# Altium PCB MC21R01.PcbDoc (part 5 of 5) (continued)
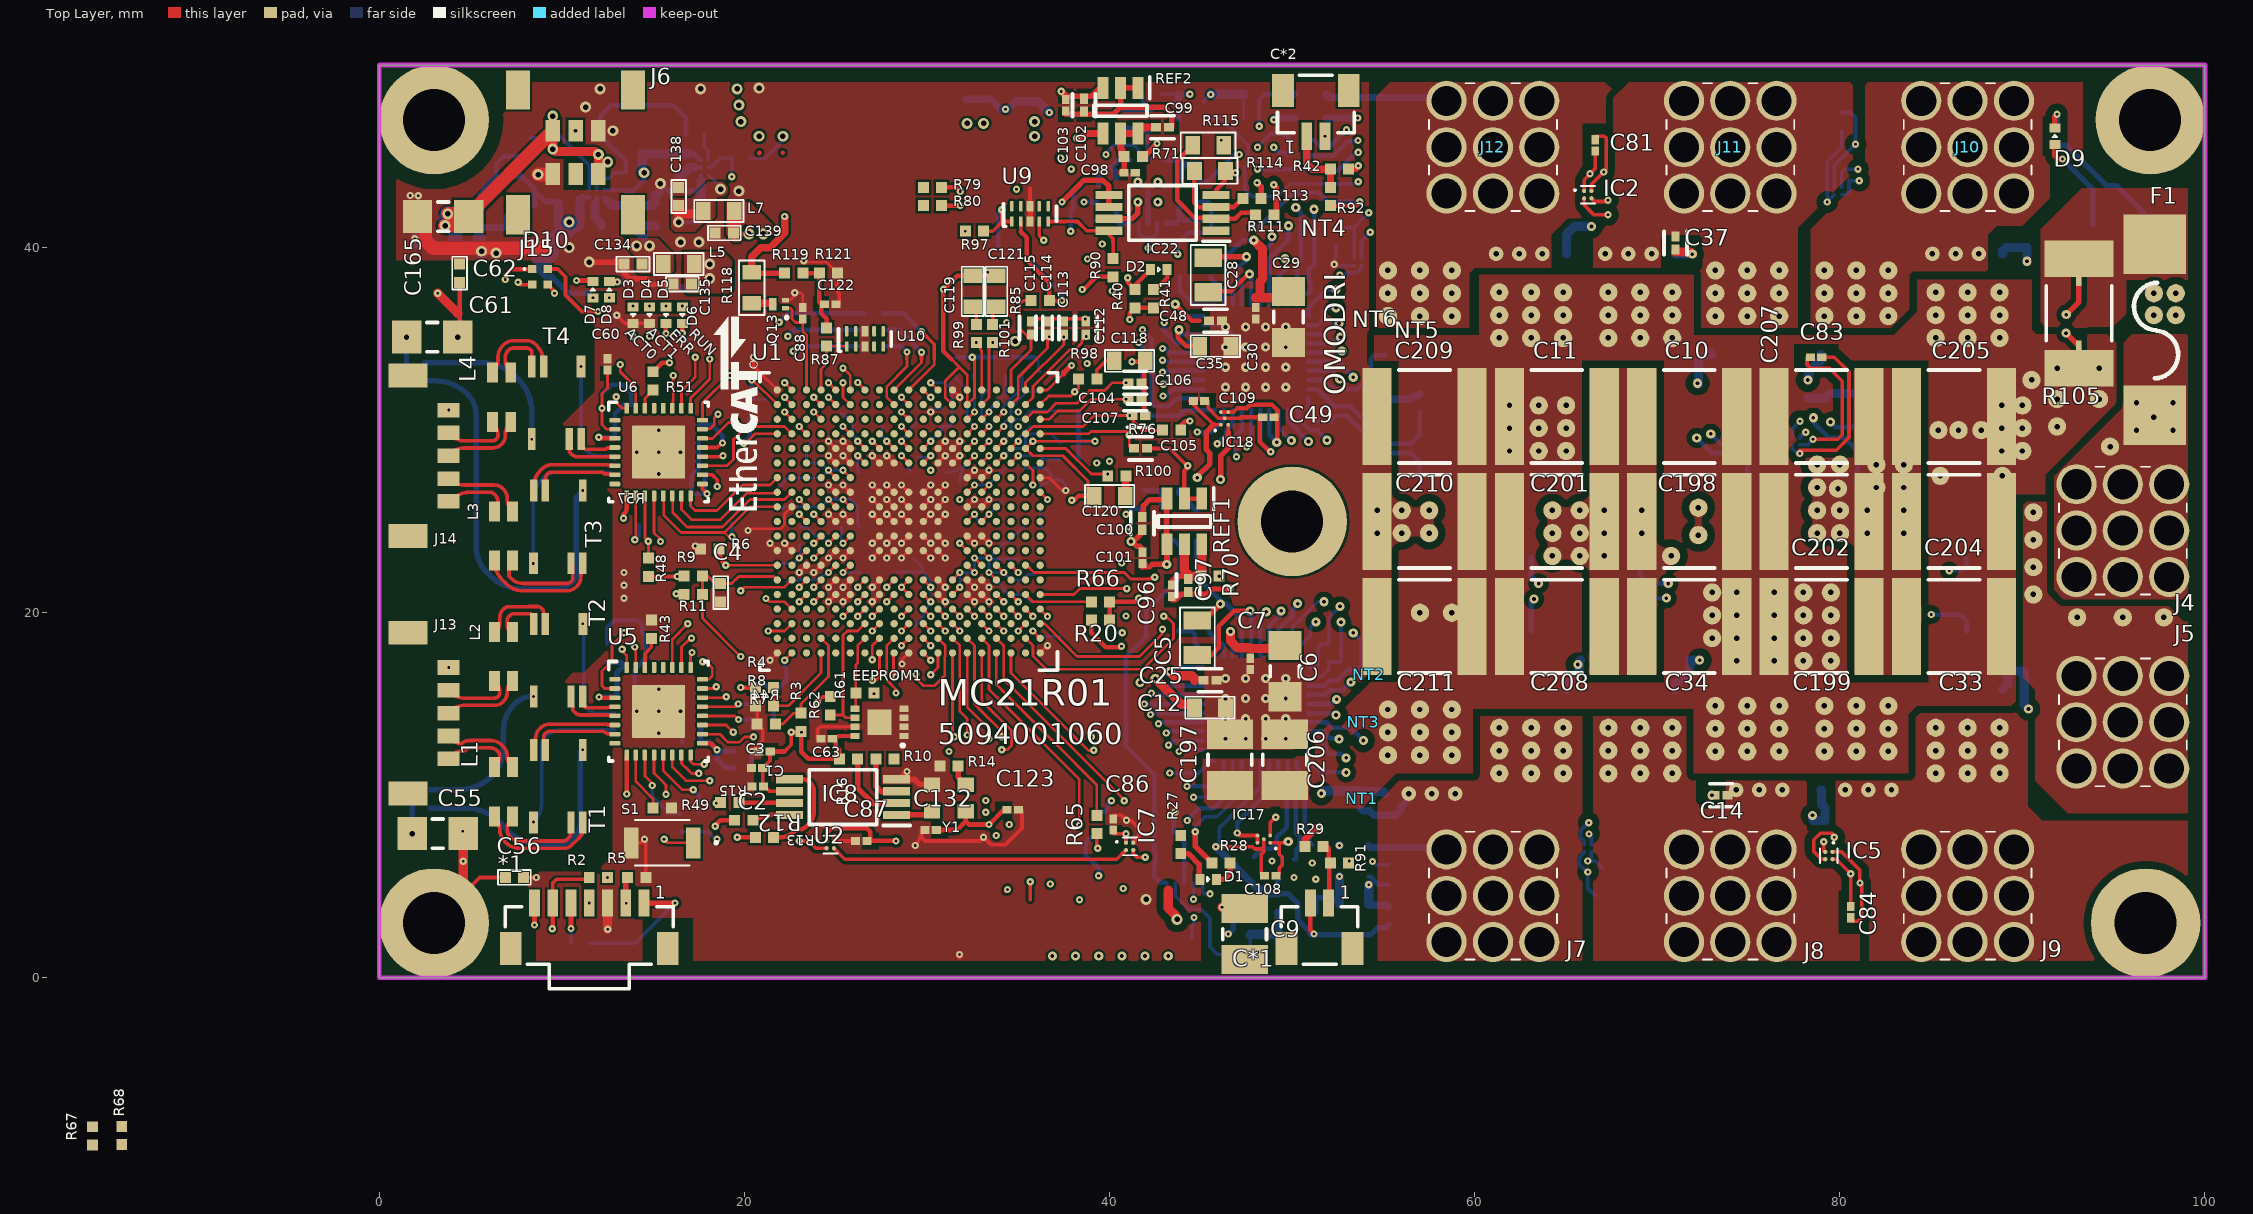
[diagram p0: Top Layer view]
## Nets (pads, with @x,y where several pads share a name; then routed paths per layer and width w, separated by ;. In a path a pad name is that pad's centre, name@x,y a point inside that pad or via, vN(x,y) a via of type N, cw(c..) or ccw(c..) an arc to the next point about the centre after c; other vN are vias at no path point) (continued)
  Top Layer w0.15: U1.P6@32.2,28.2 v1(32.6,28.6) ; U1.R6@32.2,29 v1(32.6,29.4)
  Top Layer w0.3: v1(37.4,42.5) 38.6,43.7 39.624,43.7 39.962,43.362 IC22.5@39.962,42.875 IC22.6@39.962,42.225 ; C103.1@37.6,48.3 38.6,48.3 39,48.3 39.45,48.75 REF2.3@39.65,48.75 ; R42.2@53.1,44.3 53.512,44.3 53.689,44.477 v1(53.625,44.477)
  Top Layer w0.4: v1(37.355,48.557) 37.355,48.545 37.434,48.466 C103.1@37.6,48.3 ; v1(38.186,45.994) 38.459,45.994 38.716,46.25 REF2.4@39.65,46.25 ; R29.2@50.7,7.2 50.7,7.6 51.325,8.225 v1(51.443,8.225)
  Layer 3 w0.125: 31.8,33.9 31.8,33 33,31.8 33,29.8 v1(32.6,29.4) v1(32.6,28.6)
  Layer 3 w0.4: 31.8,33.9 31.8,36.4 33.4,38 34.974,38 37.1,40.126 37.1,42.2 v1(37.4,42.5) ; v1(38.787,39.375) v1@39.612,40.2 ; v1(39.6,40.2) v1@39.612,40.2 ; v1@39.641,40.229 v1@39.612,40.2
  Layer 4 w0.4: v3(35.9,46.1) v3(35.9,46.9) ; v1@39.562,40.171 v1@39.6,40.209 ; v1(39.6,40.2) v1@39.6,40.209 ; v1@39.641,40.25 v1@39.6,40.209
  Layer 4 w0.5: v1(37.4,42.5) 35.9,44 v3(35.9,46.1) 36.042,46.242 37.938,46.242 v1(38.186,45.994) 39.692,47.5 47.1,47.5 47.5,47.9 49.6,47.9 50.5,47 50.5,45.6 51.623,44.477 v1(53.625,44.477)
  Bottom Layer w0.15: C147.1@31.8,27.2 cw(c33.249,27.2) 32.224,28.224 ; v1(32.6,28.6) 32.224,28.224 ; 32.16,28.16 cw(c31.05,29.269) 31.05,27.7 ccw(c31.05,29.269) 32.16,28.16 ; 32.16,28.16 32.224,28.224
  Bottom Layer w0.2: IC19.4@42.098,44.775 42.098,45.424 42.05,45.472 42.05,46.25 C196.1@42.3,46.5
  Bottom Layer w0.4: C116.1@40.7,46.5 41.5,46.5 C196.1@42.3,46.5
  other v1: 35,30.2
VDRAIN: C5.1 C9.1 C10.1 C11.1 C28.1 C32.1 C33.1 C34.1 C197.1 C198.1 C199.1 C200.1 C201.1 C202.1 C203.1 C204.1 C205.1 C206.1 C207.1 C208.1 C209.1 C210.1 C211.1 D9.A pad.17@55.25,12.2 pad.17@55.25,13.45 pad.17@55.25,14.7 pad.17@57,12.2 pad.17@57,13.45 pad.17@57,14.7 pad.17@57,20 pad.17@58.75,12.2 pad.17@58.75,13.45 pad.17@58.75,14.7 pad.17@58.75,20 pad.17@61.344,35.05 pad.17@61.344,36.3 pad.17@61.344,37.55 pad.17@61.907,28.86 pad.17@61.907,30.11 pad.17@61.907,31.36 pad.17@63.094,35.05 pad.17@63.094,36.3 pad.17@63.094,37.55 pad.17@63.507,28.86 pad.17@63.507,30.11 pad.17@63.507,31.36 pad.17@64.844,35.05 pad.17@64.844,36.3 pad.17@64.844,37.55 pad.17@65.007,28.86 pad.17@65.007,30.11 pad.17@65.007,31.36 pad.17@67.321,35.05 pad.17@67.321,36.3 pad.17@67.321,37.55 pad.17@69.071,35.05 pad.17@69.071,36.3 pad.17@69.071,37.55 pad.17@70.821,35.05 pad.17@70.821,36.3 pad.17@70.821,37.55 pad.17@73.007,18.61 pad.17@73.007,19.86 pad.17@73.007,21.11 pad.17@73.179,12.4 pad.17@73.179,13.65 pad.17@73.179,14.9 pad.17@74.357,17.36 pad.17@74.357,18.61 pad.17@74.357,19.86 pad.17@74.357,21.11 pad.17@74.929,12.4 pad.17@74.929,13.65 pad.17@74.929,14.9 pad.17@76.407,17.36 pad.17@76.407,18.61 pad.17@76.407,19.86 pad.17@76.407,21.11 pad.17@76.679,12.4 pad.17@76.679,13.65 pad.17@76.679,14.9 pad.17@78.007,17.36 pad.17@78.007,18.61 pad.17@78.007,19.86 pad.17@78.007,21.11 pad.17@79.156,12.4 pad.17@79.156,13.65 pad.17@79.156,14.9 pad.17@79.507,17.36 pad.17@79.507,18.61 pad.17@79.507,19.86 pad.17@79.507,21.11 pad.17@80.906,12.4 pad.17@80.906,13.65 pad.17@80.906,14.9 pad.17@82.656,12.4 pad.17@82.656,13.65 pad.17@82.656,14.9 pad.17@85.4,30 pad.17@85.5,27.5 pad.17@85.25,35.05 pad.17@85.25,36.3 pad.17@85.25,37.55 pad.17@86.5,30 pad.17@87,35.05 pad.17@87,36.3 pad.17@87,37.55 pad.17@87.75,30 pad.17@88.9,27.5 pad.17@88.75,35.05 pad.17@88.75,36.3 pad.17@88.75,37.55 pad.17@88.857,28.86 pad.17@88.857,30.11 pad.17@88.857,31.36 pad.17@90,28.86 pad.17@90,30.11 pad.17@90,31.36 pad.17@90.5,32.75 pad.17@91.9,30.2 pad.17@91.9,31.7 pad.17@91.9,33.4 pad.17@94.2,31.7 pad.17@94.2,33.4 Q1.5 Q1.6 Q1.7 Q1.8 Q2.5 Q2.6 Q2.7 Q2.8 Q3.5 Q3.6 Q3.7 Q3.8 Q7.5 Q7.6 Q7.7 Q7.8 Q8.5 Q8.6 Q8.7 Q8.8 Q9.5 Q9.6 Q9.7 Q9.8 R105.1 R106.2 R123.1 R123.2 R124.1 R124.2 R125.1 R125.2 R126.1 R126.2 R127.1 R127.2 R128.1 R128.2 U3.4 U4.4 | length 72.4
  Top Layer w0.3: C5.1@44.812,19.58 45.17,19.58 v2(46.069,20.48) ; C28.1@45.45,39.5 v2(47.5,39.5) ; D9.A@91.781,45.656 91.781,45.019 91.95,44.85 v1(92.2,44.85)
  Top Layer w0.5: 43.215,4.8 43.215,3.822 43.61,3.427 43.61,3.29 v3(43.7,3.2) ; C9.1@46.155,3.848 v1(46.155,3.875) ; C9.1@47.016,3.412 47.016,3.416 C9.1@47.4,3.8
  Layer 4 w0.5: v2(47.5,39.5) 48.3,39.5 51.4,36.4 51.4,34.3 52.1,33.6 52.391,33.6 52.411,33.58 52.969,33.58 53.039,33.65 53.661,33.65 53.711,33.6 59.894,33.6 pad.17@61.344,35.05
  Layer 6 w0.4: v2(46.069,20.48) 46.871,20.48 47.69,21.299 51.384,21.299 51.434,21.35 52.056,21.35 52.106,21.299 54.101,21.299 55.4,20 pad.17@57,20
  Layer 7 w0.5: v3(43.7,3.2) 44.35,2.55 45.05,2.55 46.049,3.549 54.049,3.549 55.5,5 55.5,7 55.25,7.25 pad.17@55.25,12.2
  Bottom Layer w0.25: R106.2@44.75,24 44.75,21.998 v2@46.169,20.58 ; 47.175,19.7 47.25,19.625 U3.4@47.25,17.625 ; U4.4@47.25,36.875 47.25,38.079 47,38.329 47,38.847 47.366,39.213 47.392,39.213 47.5,39.32 v2(47.5,39.5)
  Bottom Layer w0.3: v2(46.069,20.48) 46.395,20.48 47.175,19.7 ; v1(92.2,44.85) 93.85,43.2 C203.1@93.85,41.25
VREFHIA_REF: IC19.1 IC19.2 R72.2 | length 3.5
  Bottom Layer w0.3: R72.2@39.4,43.4 39.4,44.2 39.6,44.4 40.1,44.4 ; IC19.1@40.373,43.8 40.3,43.8 40.3,44.2 40.1,44.4 ; IC19.2@41.098,44.775 40.475,44.775 40.1,44.4
VREFHIB_REF: IC19.6 IC19.7 R81.2 | length 2.8
  Bottom Layer w0.3: IC19.6@43.098,44.775 43.725,44.775 44.05,44.45 ; IC19.7@43.823,43.8 43.9,43.8 43.9,44.3 44.05,44.45 ; R81.2@44.9,44.6 44.2,44.6 44.05,44.45
VREFHIC_REF: IC19.8 IC19.9 R88.2 | length 2.7
  Bottom Layer w0.3: IC19.9@43.098,41.325 43.648,41.325 43.962,41.638 ; IC19.8@43.823,42.3 43.823,41.777 43.962,41.638 ; R88.2@44.9,41.5 44.1,41.5 43.962,41.638
VREFHID_REF: IC19.13 IC19.14 R93.2 | length 2.7
  Bottom Layer w0.3: R93.2@39.3,41.5 40.1,41.5 40.237,41.637 ; IC19.14@40.373,42.3 40.373,41.773 40.237,41.637 ; IC19.13@41.098,41.325 40.548,41.325 40.237,41.637
pads on no net: C*1.M1 C*1.M2 C*2.M1 C*2.M2 IC20.8 IC20.9 IC20.10 IC22.1 J6.M J13.M J14.M J15.M U1.A2 U1.A13 U1.A14 U1.A15 U1.B3 U1.B14 U1.B15 U1.B18 U1.B19 U1.C3 U1.C6 U1.C11 U1.C14 U1.C15 U1.C16 U1.C17 U1.D11 U1.D15 U1.D16 U1.D17 U1.E18 U1.E19 U1.F1 U1.G1 U1.G18 U1.H1 U1.H2 U1.H3 U1.H4 U1.J4 U1.J17 U1.J18 U1.J19 U1.K18 U1.K19 U1.L1 U1.L2 U1.L3 U1.L4 U1.M2 U1.M3 U1.M4 U1.N2 U1.N3 U1.N4 U1.P17 U1.R16 U1.R17 U1.T8 U1.T9 U1.T11 U1.T12 U1.T13 U1.T15 U1.T16 U1.U8 U1.U9 U1.U12 U1.U14 U1.U15 U1.V8 U1.V9 U1.V12 U1.V13 U1.W12 U5.1 U5.8 U5.28 U5.29 U5.33@14.565,13.865 U5.33@14.565,15.335 U5.33@16.035,13.865 U5.33@16.035,15.335 U6.1 U6.8 U6.28 U6.29 U6.33@14.565,28.065 U6.33@14.565,29.535 U6.33@16.035,28.065 U6.33@16.035,29.535 U8.3@44.1,5.183 U8.6 U8.7 U8.8@44.1,6.018 U8.9 U8.10 U9.3@35.644,41.432 U9.6 U9.7 U9.8@35.644,42.267 U9.9 U9.10 U10.2 U10.3@26.6,34.582 U10.4 U10.5 U10.6 U10.7 U10.8@26.6,35.417 U10.9 U10.10

## Polygon pours and split planes (outlines as drawn)
GND on Top Layer "GND_L01_P192" (solid, pour order 192): 32 vertices, not listed, extent 0,0 54.2,50
MOTB1 on Top Layer "MOTB1_L01_P136" (solid, remove dead copper, pour order 136): 19 vertices, not listed, extent 66.5,0 81.1,14.4
MOTC2 on Top Layer "MOTC2_L01_P110" (solid, remove dead copper, pour order 110): 67.5,48.7 66.8,49.4 55.7,49.4 54.6,48.3 54.6,35.5 59.7,35.5 59.7,38.6 60,38.9 64.2,38.9 64.2,40.7 65.1,41.6 67.4,41.6 67.5,41.7
VDRAIN on Top Layer "VDRAIN_L01_P033" (solid, remove dead copper, pour order 33): 34 vertices, not listed, extent 52.7,9.7 95.135,38.5
GND on Top Layer "GND_L01_P164" (solid, pour order 164): 0,50 0,39.3 20.1,39.3 20.1,50
NetF1_2 on Top Layer "NETF1_2_L01_P155" (solid, remove dead copper, pour order 155): 91,35.9 91.3,35.6 94.9,35.6 95.687,36.387 95.687,38.25 100,38.25 100,42.5 99.25,43.25 93.25,43.25 91,41
MOTB2 on Top Layer "MOTB2_L01_P051" (solid, remove dead copper, pour order 51): 23 vertices, not listed, extent 66.5,35.5 80.7,49.4
GND on Top Layer "GND_L01_P095" (solid, remove dead copper, pour order 95): 25 vertices, not listed, extent 53.9,16.5 84.5,33.5
MOTA1 on Top Layer "MOTA1_L01_P117" (solid, remove dead copper, pour order 117): 54.7,10.9 54.7,0 64.9,0 65.9,1 65.9,14.4 59.9,14.5 59.9,11.3 59.5,10.9
VDD_3V3 on Top Layer "VDD_3V3_L01_P000" (solid, pour order 0): 16.69,39.76 16.69,37.71 16.9,37.5 19.1,37.5 19.3,37.7 19.3,39.3 18.84,39.76
3V3 on Top Layer "3V3_L01_P002" (solid, pour order 2): 13.5,40.5 13.5,40.058 14.1,39.458 14.1,38.7 14.2,38.6 16,38.6 16.127,38.727 16.127,39.632 15.259,40.5
VDD_1V2 on Top Layer "VDD_1V2_L01_P003" (solid, pour order 3): 19,42.5 19,40.7 19.4,40.3 21.3,40.3 21.6,40.6 21.6,41.2 20.3,42.5
1V2 on Top Layer "1V2_L01_P004" (solid, pour order 4): 17 vertices, not listed, extent 16,40.882 19.098,43.597
VDRAIN on Top Layer "VDRAIN_L01_P043" (solid, pour order 43): 45.1,9.7 45.5,9.3 53.8,9.3 54.5,10 54.5,16.35 54.45,16.35 50.1,12 45.1,12
MOTC1 on Top Layer "MOTC1_L01_P137" (solid, remove dead copper, pour order 137): 20 vertices, not listed, extent 79.771,0 100,14.6
GND on Top Layer "GND_L01_P145" (solid, remove dead copper, pour order 145): 90.708,10.792 90.708,15.792 90,16.5 90,25.85 91.25,27.1 98.85,19.5 100,19.5 100,10 99,9 92.5,9
NetF1_1 on Top Layer "NETF1_1_L01_P059" (solid, remove dead copper, pour order 59): 95.6,31.6 95.5,31.8 95.5,34.75 96,35.25 99,35.25 99.25,35 99.25,21.25 98.75,20.75 92.25,20.75 91.75,21.25 91.75,27.75
MOTA2 on Top Layer "MOTA2_L01_P096" (solid, remove dead copper, pour order 96): 21 vertices, not listed, extent 78.4,35.5 93.3,49.4
no net on Top Layer "NONET_L01_P091" (solid, remove dead copper, pour order 91): 96,6
no net on Top Layer "NONET_L01_P076" (solid, remove dead copper, pour order 76): 97,9
no net on Top Layer "NONET_L01_P069" (solid, remove dead copper, pour order 69): 97,11
no net on Top Layer "NONET_L01_P067" (solid, remove dead copper, pour order 67): 99,20
GND on Layer 2 "GND_L02_P154" (solid, pour order 154): 31 vertices, not listed, extent 10,7.6 37.1,36.5
GND on Layer 2 "GND_L02_P150" (solid, pour order 150): 0,50 0,39.3 20.1,39.3 20.1,50
24V on Layer 2 "24V_L02_P031" (solid, remove dead copper, pour order 31): 18 vertices, not listed, extent 3.011,40.563 20.4,49.1
GNDA on Layer 2 "GNDA_L02_P144" (solid, remove dead copper, pour order 144): 39 vertices, not listed, extent 31.2,0 54,50
SHIELD on Layer 2 "SHIELD_L02_P153" (solid, pour order 153): 19 vertices, not listed, extent 0,6.8 9.5,36.5
MOTB2 on Layer 2 "MOTB2_L02_P058" (solid, remove dead copper, pour order 58): 24 vertices, not listed, extent 66.5,35.5 80.7,49.4
VDRAIN on Layer 2 "VDRAIN_L02_P042" (solid, remove dead copper, pour order 42): 23 vertices, not listed, extent 54.5,11.2 100,38.5
GNDA on Layer 2 "GNDA_L02_P179" (solid, pour order 179): 52.8,30.6 52.8,31.7 51.9,32.6 51.9,39.5 53.333,40.933 53.333,44.109 52.942,44.5 52.4,44.5 51.8,43.9 51.8,42 50.2,40.4 50.2,30.8 50.4,30.6
no net on Layer 2 "NONET_L02_P178" (solid, pour order 178): 52.8,30.6
MOTC2 on Layer 2 "MOTC2_L02_P066" (solid, remove dead copper, pour order 66): 67.5,48.7 66.8,49.4 55.7,49.4 54.6,48.3 54.6,35.5 59.7,35.5 59.7,38.6 60,38.9 64.2,38.9 64.2,40.7 65.1,41.6 67.4,41.6 67.5,41.7
no net on Layer 2 "NONET_L02_P112" (solid, pour order 112): 54,49
MOTC1 on Layer 2 "MOTC1_L02_P098" (solid, remove dead copper, pour order 98): 20 vertices, not listed, extent 79.771,0 100,14.6
GND on Layer 2 "GND_L02_P079" (solid, remove dead copper, pour order 79): 90,19.4 91.9,17.5 91.9,9.2 92.032,9.2 92.232,9 99,9 100,10 100,19 98.75,20.25 92.25,20.25 91.25,21.25 91.25,26.5 91,26.75 90.25,26.75 90,26.5
NetF1_1 on Layer 2 "NETF1_1_L02_P111" (solid, remove dead copper, pour order 111): 95.543,32.5 95.543,34.793 96,35.25 99,35.25 99.25,35 99.25,21.25 98.75,20.75 92.25,20.75 91.75,21.25 91.75,27.75 93,29 95.25,29 95.5,29.25 95.5,32.5
MOTB1 on Layer 2 "MOTB1_L02_P074" (solid, remove dead copper, pour order 74): 73.825,10.925 72.575,10.925 72.1,11.4 72.1,14.2 71.9,14.4 66.5,14.4 66.5,0.9 67.4,0 80.2,0 81.1,0.9 81.1,5.2 78.2,8.1 78.2,10.7 77.9,11 73.9,11
MOTA1 on Layer 2 "MOTA1_L02_P068" (solid, remove dead copper, pour order 68): 65.9,14.4 65.9,1 64.9,0 56.8,0 55.9,0.9 55.9,10.9 59.5,10.9 59.9,11.3 59.9,14.5
MOTA2 on Layer 2 "MOTA2_L02_P050" (solid, remove dead copper, pour order 50): 19 vertices, not listed, extent 78.4,35.5 95.1,49.4
GND on Layer 3 "GND_L03_P191" (solid, pour order 191): 29 vertices, not listed, extent 10,7.6 37.1,36.5
GNDA on Layer 3 "GNDA_L03_P183" (solid, remove dead copper, pour order 183): 39 vertices, not listed, extent 31.2,0 54,50
VDDA_3V3 on Layer 3 "VDDA_3V3_L03_P170" (solid, pour order 170): 32.341,37.8 34.404,39.864 36.436,39.864 36.8,39.5 34.22,36.92 34.22,31.18 35.3,30.1 35.3,28.2 34.9,27.8 32.6,27.8 31.3,29.1 31.3,37.3 31.8,37.8
GND on Layer 3 "GND_L03_P149" (solid, pour order 149): 0,50 0,39.3 20.1,39.3 20.1,50
24V on Layer 3 "24V_L03_P041" (solid, remove dead copper, pour order 41): 18 vertices, not listed, extent 3.011,40.563 20.4,49.1
MOTB2 on Layer 3 "MOTB2_L03_P057" (solid, remove dead copper, pour order 57): 24 vertices, not listed, extent 66.5,35.5 80.7,49.4
VDRAIN on Layer 3 "VDRAIN_L03_P143" (solid, remove dead copper, pour order 143): 23 vertices, not listed, extent 54.5,11.2 100,38.5
MOTC1 on Layer 3 "MOTC1_L03_P080" (solid, remove dead copper, pour order 80): 20 vertices, not listed, extent 79.771,0 100,14.6
MOTB1 on Layer 3 "MOTB1_L03_P097" (solid, remove dead copper, pour order 97): 73.825,10.925 72.575,10.925 72.1,11.4 72.1,14.2 71.9,14.4 66.5,14.4 66.5,0.9 67.4,0 80.2,0 81.1,0.9 81.1,5.2 78.2,8.1 78.2,10.7 77.9,11 73.9,11
MOTC2 on Layer 3 "MOTC2_L03_P065" (solid, remove dead copper, pour order 65): 67.5,48.7 66.8,49.4 55.7,49.4 54.6,48.3 54.6,35.5 59.7,35.5 59.7,38.6 60,38.9 64.2,38.9 64.2,40.7 65.1,41.6 67.4,41.6 67.5,41.7
GND on Layer 3 "GND_L03_P106" (solid, remove dead copper, pour order 106): 90,11.4 92.4,9 99,9 100,10 100,19 98.75,20.25 92.25,20.25 91.25,21.25 91.25,26.5 91,26.75 90.25,26.75 90,26.5
NetF1_1 on Layer 3 "NETF1_1_L03_P104" (solid, remove dead copper, pour order 104): 95.543,32.5 95.543,34.793 96,35.25 99,35.25 99.25,35 99.25,21.25 98.75,20.75 92.25,20.75 91.75,21.25 91.75,27.75 93,29 95.25,29 95.5,29.25 95.5,32.5
MOTA1 on Layer 3 "MOTA1_L03_P077" (solid, remove dead copper, pour order 77): 65.9,14.4 65.9,1 64.9,0 56.8,0 55.9,0.9 55.9,10.9 59.5,10.9 59.9,11.3 59.9,14.5
MOTA2 on Layer 3 "MOTA2_L03_P049" (solid, remove dead copper, pour order 49): 19 vertices, not listed, extent 78.4,35.5 95.1,49.4
GND on Layer 4 "GND_L04_P190" (solid, pour order 190): 29 vertices, not listed, extent 10,7.6 37.1,36.5
VDDA_3V3 on Layer 4 "VDDA_3V3_L04_P182" (solid, remove dead copper, pour order 182): 39 vertices, not listed, extent 31.454,0.251 54.254,50.251
GND on Layer 4 "GND_L04_P142" (solid, pour order 142): 0,50 0,39.3 20.1,39.3 20.1,50
VDRAIN on Layer 4 "VDRAIN_L04_P105" (solid, remove dead copper, pour order 105): 28 vertices, not listed, extent 54.5,11.2 100,38.5
MOTC1 on Layer 4 "MOTC1_L04_P081" (solid, remove dead copper, pour order 81): 20 vertices, not listed, extent 79.771,0 100,14.6
MOTB2 on Layer 4 "MOTB2_L04_P048" (solid, remove dead copper, pour order 48): 24 vertices, not listed, extent 66.5,35.5 80.7,49.4
MOTA2 on Layer 4 "MOTA2_L04_P040" (solid, remove dead copper, pour order 40): 19 vertices, not listed, extent 78.4,35.5 95.1,49.4
NetF1_1 on Layer 4 "NETF1_1_L04_P100" (solid, remove dead copper, pour order 100): 95.5,31.5 95.5,32.5 95.543,32.5 95.543,34.793 96,35.25 99,35.25 99.25,35 99.25,21.25 98.75,20.75 92.25,20.75 91.75,21.25 91.75,27.75
GND on Layer 4 "GND_L04_P101" (solid, remove dead copper, pour order 101): 20 vertices, not listed, extent 78.2,9 100,28.9
MOTB1 on Layer 4 "MOTB1_L04_P083" (solid, remove dead copper, pour order 83): 73.825,10.925 72.575,10.925 72.1,11.4 72.1,14.2 71.9,14.4 66.5,14.4 66.5,0.9 67.4,0 80.2,0 81.1,0.9 81.1,5.2 78.2,8.1 78.2,10.7 77.9,11 73.9,11
MOTA1 on Layer 4 "MOTA1_L04_P064" (solid, remove dead copper, pour order 64): 65.9,14.4 65.9,1 64.9,0 56.8,0 55.9,0.9 55.9,10.9 59.5,10.9 59.9,11.3 59.9,14.5
MOTC2 on Layer 4 "MOTC2_L04_P056" (solid, remove dead copper, pour order 56): 67.5,48.7 66.8,49.4 55.7,49.4 54.6,48.3 54.6,35.5 59.7,35.5 59.7,38.6 60,38.9 64.2,38.9 64.2,40.7 65.1,41.6 67.4,41.6 67.5,41.7
GND on Bottom Layer "GND_L08_P188" (solid, remove dead copper, pour order 188): 6.5,3.7 8.5,5.7 12.2,5.7 13.6,7.1 13.6,8 12.2,9.4 12.2,27 11.8,27.4 11.8,37.3 9.8,39.3 0,39.3 0,50 55,50 55,0 6.5,0
GND on Bottom Layer "GND_L08_P161" (solid, pour order 161): 0,50 0,39.3 20.1,39.3 20.1,50
VDD_1V2 on Bottom Layer "VDD_1V2_L08_P138" (solid, pour order 138): 28.9,23.5 29.9,23.5 29.9,22.6 30.6,22.6 30.6,18.5 28.7,18.5 28.7,21.8 27.9,21.8 27.9,22.7 28.9,22.7
NetC18_2 on Bottom Layer "NETC18_2_L08_P116" (solid, remove dead copper, pour order 116): 88.144,14.985 84.515,14.985 83.881,15.619 83.881,19.131 84,19.25 88.75,19.25 90,18 90.25,18 90.25,17.5 90,17.5 89.5,17 89.5,15
GND on Bottom Layer "GND_L08_P109" (solid, remove dead copper, pour order 109): 40 vertices, not listed, extent 54.2,9 99.9,43.5
MOTC2 on Bottom Layer "MOTC2_L08_P108" (solid, remove dead copper, pour order 108): 67.5,48.7 66.8,49.4 55.7,49.4 54.6,48.3 54.6,35.5 59.7,35.5 59.7,38.6 60,38.9 64.2,38.9 64.2,40.7 65.1,41.6 67.4,41.6 67.5,41.7
MOTB2 on Bottom Layer "MOTB2_L08_P092" (solid, remove dead copper, pour order 92): 24 vertices, not listed, extent 66.5,35.5 80.7,49.4
VDRAIN on Bottom Layer "VDRAIN_L08_P025" (solid, remove dead copper, pour order 25): 95.45,33.75 90.8,29.1 90.8,27.5 90.3,27 85.2,27 84.6,27.6 84.6,34.6 86.8,38.1 90.2,38.1 90.9,38.8 90.9,41.1 92.9,43.1 95.45,43.1
NetC16_2 on Bottom Layer "NETC16_2_L08_P023" (solid, remove dead copper, pour order 23): 64.2,16.7 64.4,16.9 65,16.9 65.2,17.1 65.2,17.9 65.3,18 66.1,18 66.2,18.1 66.2,21.4 65.8,21.8 60.8,21.8 60.3,21.3 60.3,15 64.2,15
NetC17_2 on Bottom Layer "NETC17_2_L08_P022" (solid, remove dead copper, pour order 22): 70.2,16.7 70.4,16.9 71,16.9 71.2,17.1 71.2,17.8 71.4,18 72.1,18 72.2,18.1 72.2,21.3 71.7,21.8 66.9,21.8 66.5,21.4 66.5,15 70.2,15
MOTB1 on Bottom Layer "MOTB1_L08_P016" (solid, remove dead copper, pour order 16): 17 vertices, not listed, extent 66.5,0 81.1,14.4
NetC41_2 on Bottom Layer "NETC41_2_L08_P131" (solid, pour order 131): 59,29.2 59.7,29.9 59.7,35 55.9,35 55.9,34 55,33.1 55,29.2
NetC39_2 on Bottom Layer "NETC39_2_L08_P118" (solid, pour order 118): 79.8,33.3 79.1,32.6 79,32.6 79,30.6 79.8,29.8 80.5,29.2 83.9,29.2 84.1,29.4 84.1,34.7 83.9,34.9 79.8,34.9
NetC40_2 on Bottom Layer "NETC40_2_L08_P119" (solid, pour order 119): 77.3,29.3 77.7,29.7 77.7,34.9 73.8,34.9 73.6,34.7 73.6,33.5 73,32.9 73,29.3
3V3 on Bottom Layer "3V3_L08_P169" (solid, pour order 169): 33.4,47.2 33.8,46.8 33.8,45.4 33.7,45.3 32.1,45.3 31.9,45.5 31.9,47 32.1,47.2
3V3 on Bottom Layer "3V3_L08_P013" (solid, pour order 13): 13.4,41.8 15.4,41.8 15.6,41.6 15.6,40.5 14.974,39.874 13.658,39.874 13.4,40.132
VDDA_3V3 on Bottom Layer "VDDA_3V3_L08_P133" (solid, pour order 133): 33,29.8 33,28.224 32.2,28.224 32.2,26.8 31.3,26.8 31.3,27.4 30.7,27.4 30.7,28.3 32,28.3 32,29.8
no net on Bottom Layer "NONET_L08_P132" (solid, pour order 132): 23.8,56.2
VDRAIN on Bottom Layer "VDRAIN_L08_P115" (solid, remove dead copper, pour order 115): 59.5,22.55 59.05,23 54.75,23 54.5,22.75 54.5,11.25 59.25,11.25 59.5,11.5
no net on Bottom Layer "NONET_L08_P107" (solid, remove dead copper, pour order 107): 65.9,51 65.8,51.1
MOTA2 on Bottom Layer "MOTA2_L08_P090" (solid, remove dead copper, pour order 90): 19 vertices, not listed, extent 78.4,35.5 95.1,49.4
no net on Bottom Layer "NONET_L08_P024" (solid, remove dead copper, pour order 24): 84.4,34.4
VDRAIN on Bottom Layer "VDRAIN_L08_P020" (solid, remove dead copper, pour order 20): 72.6,22.325 73.275,23 83.3,23 83.3,11.7 72.6,11.7
VDRAIN on Bottom Layer "VDRAIN_L08_P021" (solid, remove dead copper, pour order 21): 60.2,27.5 60.7,27 71,27 71.7,27.7 71.7,38.3 60.2,38.3
MOTA1 on Bottom Layer "MOTA1_L08_P019" (solid, remove dead copper, pour order 19): 65.9,14.4 65.9,1 64.9,0 56.8,0 55.9,0.9 55.9,10.9 59.5,10.9 59.9,11.3 59.9,14.5
MOTC1 on Bottom Layer "MOTC1_L08_P015" (solid, remove dead copper, pour order 15): 20 vertices, not listed, extent 79.771,0 100,14.6
no net on Bottom Layer "NONET_L08_P014" (solid, remove dead copper, pour order 14): 79.771,11.111
GND on Layer 6 "GND_L06_P189" (solid, remove dead copper, pour order 189): 55,0 55,50 0,50 0,39.3 9.8,39.3 13.6,35.5 13.6,7.1 11.8,5.3 8.7,5.3 6.5,3.1 6.5,0
VDD_1V2 on Layer 6 "VDD_1V2_L06_P038" (solid, pour order 38): 17 vertices, not listed, extent 19.1,17.6 36.6,41.8
GND on Layer 6 "GND_L06_P160" (solid, pour order 160): 0,50 0,39.3 20.1,39.3 20.1,50
GND on Layer 6 "GND_L06_P140" (solid, remove dead copper, pour order 140): 23 vertices, not listed, extent 54.5,9 100,43.5
MOTB2 on Layer 6 "MOTB2_L06_P054" (solid, remove dead copper, pour order 54): 24 vertices, not listed, extent 66.5,35.5 80.7,49.4
MOTC2 on Layer 6 "MOTC2_L06_P062" (solid, remove dead copper, pour order 62): 67.5,48.7 66.8,49.4 55.7,49.4 54.6,48.3 54.6,35.5 59.7,35.5 59.7,38.6 60,38.9 64.2,38.9 64.2,40.7 65.1,41.6 67.4,41.6 67.5,41.7
MOTB1 on Layer 6 "MOTB1_L06_P103" (solid, remove dead copper, pour order 103): 73.825,10.925 72.575,10.925 72.1,11.4 72.1,14.2 71.9,14.4 66.5,14.4 66.5,0.9 67.4,0 80.2,0 81.1,0.9 81.1,5.2 78.2,8.1 78.2,10.7 77.9,11 73.9,11
MOTC1 on Layer 6 "MOTC1_L06_P088" (solid, remove dead copper, pour order 88): 20 vertices, not listed, extent 79.771,0 100,14.6
MOTA1 on Layer 6 "MOTA1_L06_P071" (solid, remove dead copper, pour order 71): 65.9,14.4 65.9,1 64.9,0 56.8,0 55.9,0.9 55.9,10.9 59.5,10.9 59.9,11.3 59.9,14.5
MOTA2 on Layer 6 "MOTA2_L06_P046" (solid, remove dead copper, pour order 46): 19 vertices, not listed, extent 78.4,35.5 95.1,49.4
GND on Layer 5 "GND_L05_P184" (solid, remove dead copper, pour order 184): 18 vertices, not listed, extent 0,0 44.4,50
GND on Layer 5 "GND_L05_P141" (solid, pour order 141): 0,50 0,39.3 20.1,39.3 20.1,50
GNDA on Layer 5 "GNDA_L05_P181" (solid, remove dead copper, pour order 181): 41 vertices, not listed, extent 29.869,0 54,50
GND on Layer 5 "GND_L05_P102" (solid, remove dead copper, pour order 102): 27 vertices, not listed, extent 54.5,9 100,43.5
MOTA1 on Layer 5 "MOTA1_L05_P063" (solid, remove dead copper, pour order 63): 65.9,14.4 65.9,1 64.9,0 56.8,0 55.9,0.9 55.9,10.9 59.5,10.9 59.9,11.3 59.9,14.5
MOTB1 on Layer 5 "MOTB1_L05_P089" (solid, remove dead copper, pour order 89): 73.825,10.925 72.575,10.925 72.1,11.4 72.1,14.2 71.9,14.4 66.5,14.4 66.5,0.9 67.4,0 80.2,0 81.1,0.9 81.1,5.2 78.2,8.1 78.2,10.7 77.9,11 73.9,11
MOTB2 on Layer 5 "MOTB2_L05_P047" (solid, remove dead copper, pour order 47): 24 vertices, not listed, extent 66.5,35.5 80.7,49.4
MOTC2 on Layer 5 "MOTC2_L05_P055" (solid, remove dead copper, pour order 55): 67.5,48.7 66.8,49.4 55.7,49.4 54.6,48.3 54.6,35.5 59.7,35.5 59.7,38.6 60,38.9 64.2,38.9 64.2,40.7 65.1,41.6 67.4,41.6 67.5,41.7
MOTC1 on Layer 5 "MOTC1_L05_P070" (solid, remove dead copper, pour order 70): 20 vertices, not listed, extent 79.771,0 100,14.6
MOTA2 on Layer 5 "MOTA2_L05_P039" (solid, remove dead copper, pour order 39): 19 vertices, not listed, extent 78.4,35.5 95.1,49.4
VDD_3V3 on Layer 7 "VDD_3V3_L07_P037" (solid, pour order 37): 17 vertices, not listed, extent 11.9,2.8 41.5,39.7
GND on Layer 7 "GND_L07_P168" (solid, pour order 168): 0,50 0,39.3 20.1,39.3 20.1,50
GND on Layer 7 "GND_L07_P072" (solid, remove dead copper, pour order 72): 65,43.5 99,43.5 100,42.5 100,10 99,9 91.5,9 90.75,9.75 90.75,14.25 90,15 83.705,15 82.955,15.75 55.5,15.75 54.5,16.75 54.5,33
MOTB2 on Layer 7 "MOTB2_L07_P053" (solid, remove dead copper, pour order 53): 24 vertices, not listed, extent 66.5,35.5 80.7,49.4
3V3 on Layer 7 "3V3_L07_P045" (solid, remove dead copper, pour order 45): 13.7,41.1 13.7,39.9 13.9,39.7 15,39.7 15.3,40 15.3,40.492 14.7,41.092 14.7,41.1
no net on Layer 7 "NONET_L07_P167" (solid, pour order 167): 14.8,40
no net on Layer 7 "NONET_L07_P166" (solid, pour order 166): 20.2,41.9
MOTC2 on Layer 7 "MOTC2_L07_P087" (solid, remove dead copper, pour order 87): 67.5,48.7 66.8,49.4 55.7,49.4 54.6,48.3 54.6,35.5 59.7,35.5 59.7,38.6 60,38.9 64.2,38.9 64.2,40.7 65.1,41.6 67.4,41.6 67.5,41.7
MOTB1 on Layer 7 "MOTB1_L07_P158" (solid, remove dead copper, pour order 158): 73.825,10.925 72.575,10.925 72.1,11.4 72.1,14.2 71.9,14.4 66.5,14.4 66.5,0.9 67.4,0 80.2,0 81.1,0.9 81.1,5.2 78.2,8.1 78.2,10.7 77.9,11 73.9,11
MOTC1 on Layer 7 "MOTC1_L07_P157" (solid, remove dead copper, pour order 157): 20 vertices, not listed, extent 79.771,0 100,14.6
MOTA1 on Layer 7 "MOTA1_L07_P139" (solid, remove dead copper, pour order 139): 65.9,14.4 65.9,1 64.9,0 56.8,0 55.9,0.9 55.9,10.9 59.5,10.9 59.9,11.3 59.9,14.5
MOTA2 on Layer 7 "MOTA2_L07_P061" (solid, remove dead copper, pour order 61): 19 vertices, not listed, extent 78.4,35.5 95.1,49.4

## Keep-outs
Keep-Out Layer:
  the board outline again, w0.254

## Silkscreen, mask and mechanical layers (free items; w line width, h text height)
Top Overlay:
  drawing of 11 lines, arcs and shapes, not listed
  text "ACT1" at 14.445,35.182 h1 r315
  text "ACT0" at 13.269,35.15 h1 r315
  text "RUN" at 16.782,35.092 h1 r315
  text "ERR" at 15.676,35.058 h1 r315
  text "OMODRI" at 53.3,31.9 h2 r90
  text "MC21R01" at 30.6,14.4 h2.5
  text "5094001060" at 30.6,12.4 h2
Mechanical 1:
  lines w0.254: -2.5,25 107.75,25 ; -1,38.4 8.4,38.4 11.8,38.4 14.4,35.8 23.8,35.8 ; -0.8,40 109.45,40 ; -0.25,50 99.75,0 ; 0,0 100,50 ; 10,-1.6 10,51.2 ; 17.2,-1.6 17.2,51.2

## Dimensions
11.4,27 to 13.3,27.5 on Mechanical 1

## Text inside footprints (layer, text, board x,y; h text height)
*1: Top Overlay "1" at 15.1,4.1 h1.2
C*1: Top Overlay "1" at 52.6,4.1 h1.2
C*2: Top Overlay "1" at 50.2,46.1 h1.2 r180